# Altium PCB Template_F411.PcbDoc
Units mil, origin at the board's own origin, x right, y up, seen from the top; angles counter-clockwise.
Board outline 6000 x 4000 mil, 2 copper layers (Top Layer, Bottom Layer), stack 61.2 mil thick; 35 components, 51 nets, 215 pads, 4 vias.
Unrouted connection lines stored in the file: 107.
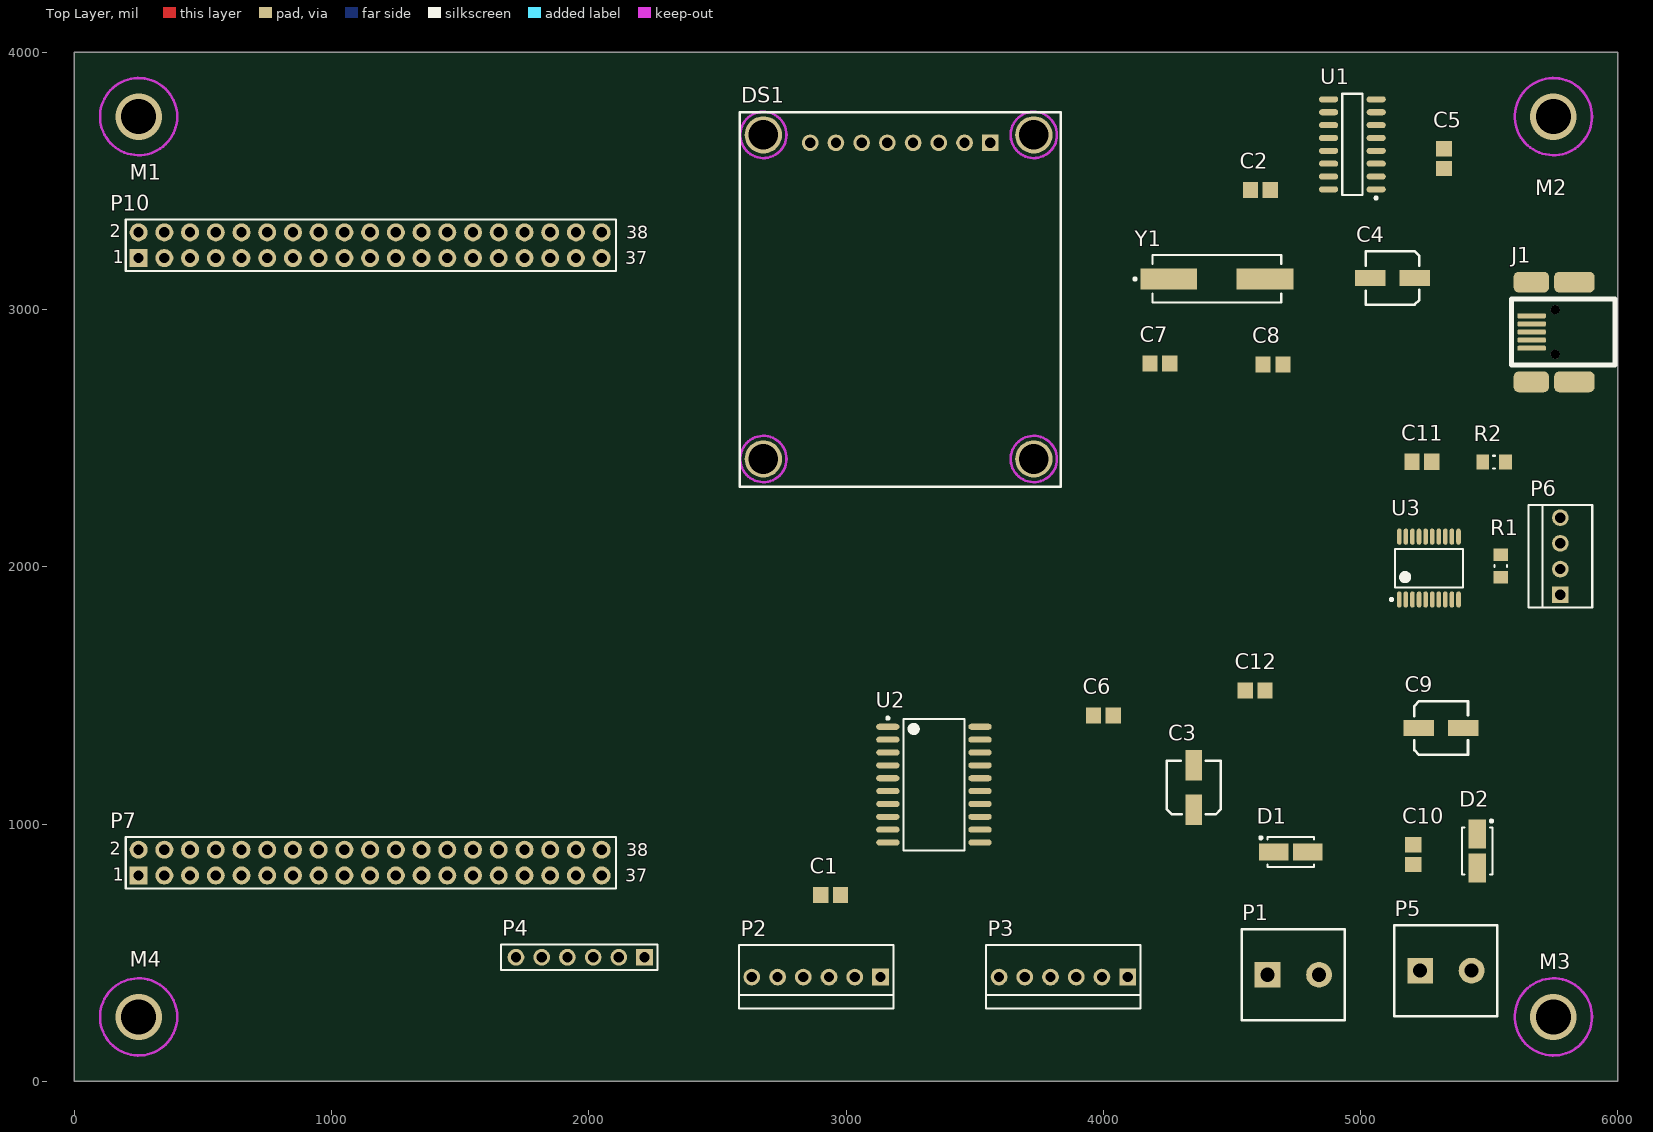
[diagram p0: Top Layer view]
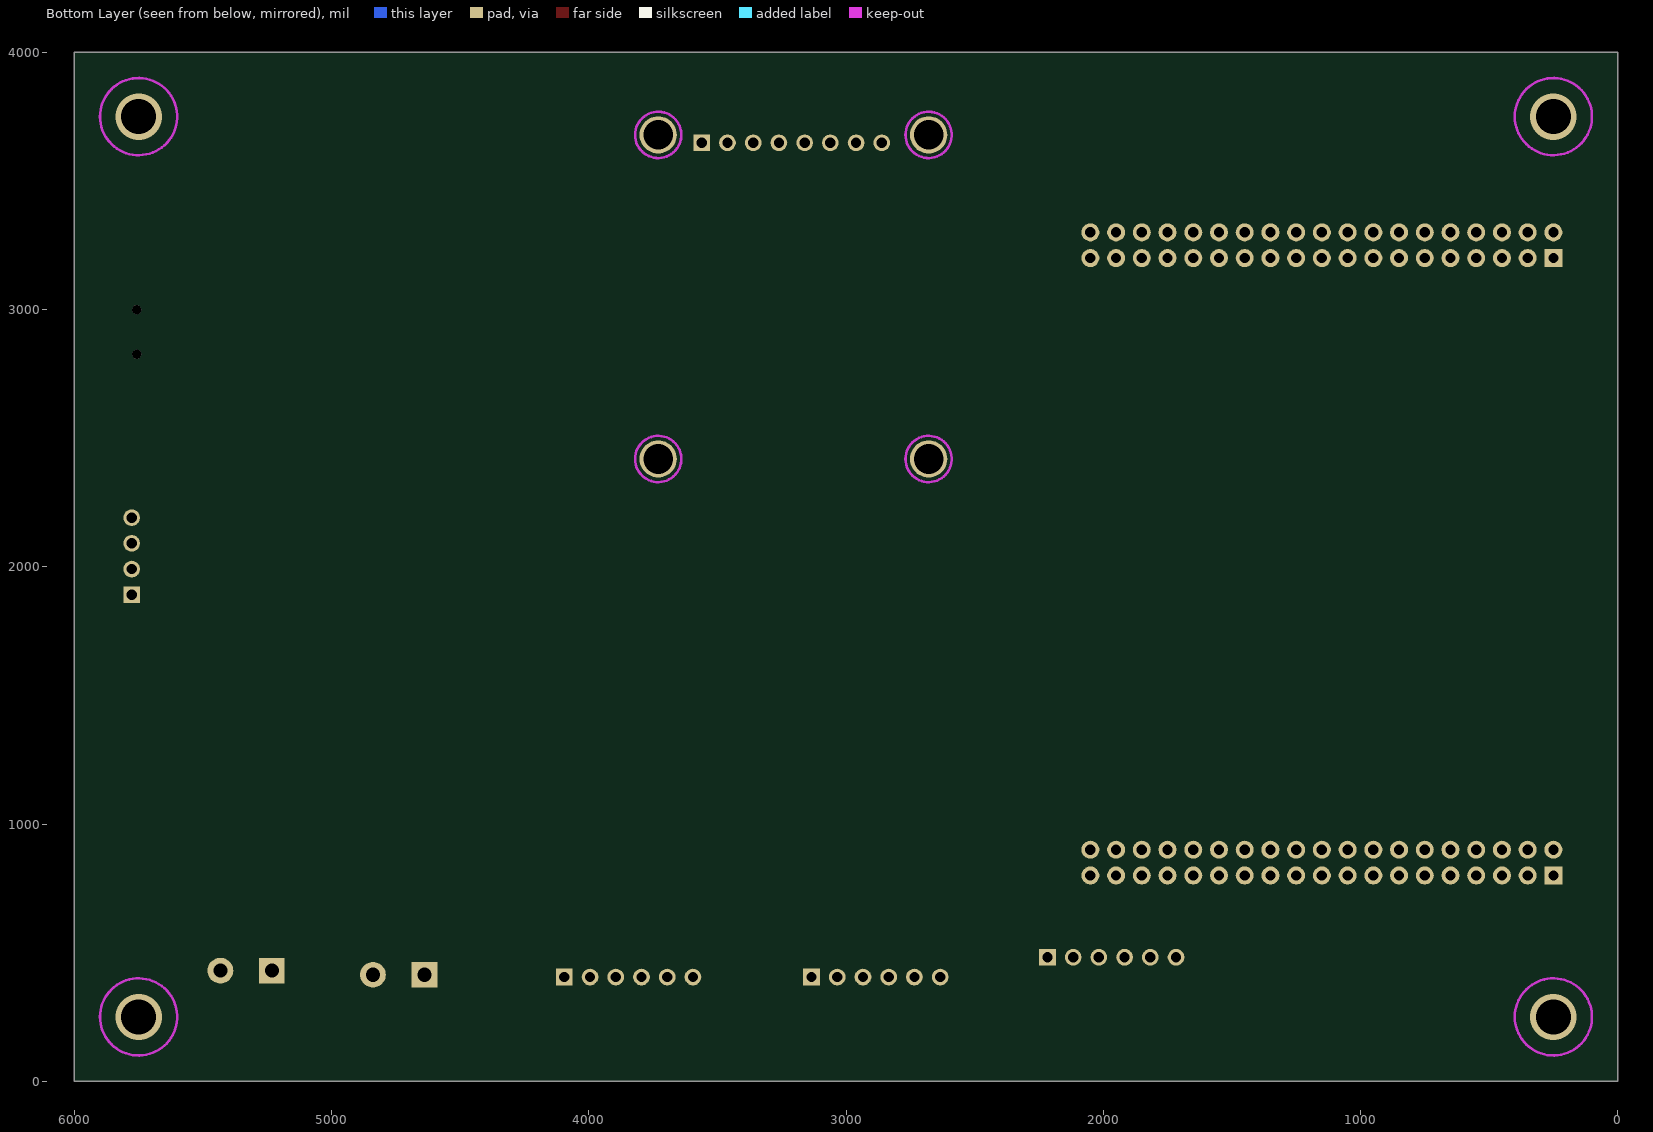
[diagram p1: Bottom Layer view, seen from below]

## Layer stack, top to bottom
Top Solder: solder mask 0.4, Solder Resist, Dk 3.5
Top Layer: signal copper 1.4
Dielectric 1: dielectric 58.4, FR-4, Dk 4.8
Bottom Layer: signal copper 1.4
Bottom Solder: solder mask 0.4, Solder Resist, Dk 3.5

## Board outline
0,0 6000,0 6000,4000 0,4000

## Design rules (kind name [scope] priority, off if disabled: settings)
Clearance [All] p1: gap=6 ignorepadtopadclearanceinfootprint=TRUE
HoleSize [All] p1: absolutevalues=TRUE maxlimit=150 minlimit=20 maxpercent=80.000 minpercent=20.000
MinimumAnnularRing [All] p1: minimumring=10
MinimumSolderMaskSliver [All] p1: minsoldermaskwidth=3
PolygonConnect [All] p1: connectstyle=Relief reliefconductorwidth=10 reliefentries=4 polygonreliefangle="90 Angle" airgapwidth=10
RoutingVias [All] p1: holewidth=20 width=30 viastyle="Through Hole" minholewidth=20 minwidth=30 maxholewidth=40 maxwidth=50
SolderMaskExpansion [All] p1: expansion=5 istentingtop=FALSE
SupplyNets "Schematic Supply Nets_3" [InNet('3.3V')] p1: voltage=0.000
SupplyNets "Schematic Supply Nets_2" [InNet('5V')] p2: voltage=0.000
SupplyNets "Schematic Supply Nets_1" [InNet('GND')] p3: voltage=0.000
SupplyNets "Schematic Supply Nets" [InNet('VBUS')] p4: voltage=0.000
Width "Schematic Width Constraint_17" [InNet('NetP2_1')] p1: maxlimit=30 minlimit=10 preferedwidth=30 minimp=50.000000 maximp=50.000000 favimp=50.000000
Width "Schematic Width Constraint_16" [InNet('NetP3_6')] p2: maxlimit=30 minlimit=10 preferedwidth=30 minimp=50.000000 maximp=50.000000 favimp=50.000000
Width "Schematic Width Constraint_15" [InNet('NetC9_1')] p3: maxlimit=30 minlimit=10 preferedwidth=30 minimp=50.000000 maximp=50.000000 favimp=50.000000
Width "Schematic Width Constraint_14" [InNet('NetD1_2')] p4: maxlimit=30 minlimit=10 preferedwidth=30 minimp=50.000000 maximp=50.000000 favimp=50.000000
Width "Schematic Width Constraint_13" [InNet('AVDD')] p5: maxlimit=30 minlimit=10 preferedwidth=30 minimp=50.000000 maximp=50.000000 favimp=50.000000
Width "Schematic Width Constraint_12" [InNet('NetP3_1')] p6: maxlimit=30 minlimit=10 preferedwidth=30 minimp=50.000000 maximp=50.000000 favimp=50.000000
Width "Schematic Width Constraint_11" [InNet('NetR2_1')] p7: maxlimit=30 minlimit=10 preferedwidth=30 minimp=50.000000 maximp=50.000000 favimp=50.000000
Width "Schematic Width Constraint_10" [InNet('3.3V')] p8: maxlimit=30 minlimit=10 preferedwidth=30 minimp=50.000000 maximp=50.000000 favimp=50.000000
Width "Schematic Width Constraint_9" [InNet('NetP6_3')] p9: maxlimit=30 minlimit=10 preferedwidth=30 minimp=50.000000 maximp=50.000000 favimp=50.000000
Width "Schematic Width Constraint_8" [InNet('NetP2_6')] p10: maxlimit=30 minlimit=10 preferedwidth=30 minimp=50.000000 maximp=50.000000 favimp=50.000000
Width "Schematic Width Constraint_7" [InNet('NetP6_2')] p11: maxlimit=30 minlimit=10 preferedwidth=30 minimp=50.000000 maximp=50.000000 favimp=50.000000
Width "Schematic Width Constraint_6" [InNet('NetC5_1')] p12: maxlimit=30 minlimit=10 preferedwidth=30 minimp=50.000000 maximp=50.000000 favimp=50.000000
Width "Schematic Width Constraint_5" [InNet('NetP6_1')] p13: maxlimit=30 minlimit=10 preferedwidth=30 minimp=50.000000 maximp=50.000000 favimp=50.000000
Width "Schematic Width Constraint_4" [InNet('NetD2_2')] p14: maxlimit=30 minlimit=10 preferedwidth=30 minimp=50.000000 maximp=50.000000 favimp=50.000000
Width "Schematic Width Constraint_3" [InNet('VBUS')] p15: maxlimit=30 minlimit=10 preferedwidth=30 minimp=50.000000 maximp=50.000000 favimp=50.000000
Width "Schematic Width Constraint_2" [InNet('NetP6_4')] p16: maxlimit=30 minlimit=10 preferedwidth=30 minimp=50.000000 maximp=50.000000 favimp=50.000000
Width "Schematic Width Constraint_1" [InNet('NetR1_1')] p17: maxlimit=30 minlimit=10 preferedwidth=30 minimp=50.000000 maximp=50.000000 favimp=50.000000
Width "Schematic Width Constraint" [InNet('VMOTOR')] p18: maxlimit=30 minlimit=10 preferedwidth=30 minimp=50.000000 maximp=50.000000 favimp=50.000000
Width Power [InNetClass('POWER')] p19: maxlimit=100 minlimit=20 preferedwidth=30
Width [All] p20: maxlimit=10 minlimit=10 preferedwidth=10
28 further rules are at their usual default settings.

## Classes and differential pairs
component class Sheet3: C9 C10 C11 C12 D2 P5 P6 R1 R2 U3
component class Sheet2: C1 C2 C3 C4 C5 C6 C7 C8 D1 DS1 J1 P1 P2 P3 P4 U1 U2 Y1
component class Sheet1: P7 P10
component class Mechanical: M1 M2 M3 M4 M5

## Components (designator, comment, footprint, x,y, rotation, side; value= is the part's Value field where it differs from the comment)
C1 "Cap" CAPC2012X09M 2940,724 r0 top value=.1uF
C2 "Cap" CAPC2012X09M 4610.61,3465 r180 top value=.1uF
C3 "Cap Pol" CAPACITOR_5MM 4352,1142 r90 top value=10uF
C4 "Cap Pol" CAPACITOR_5MM 5125,3123 r180 top value=10uF
C5 "Cap" CAPC2012X09M 5325,3587 r270 top value=.1uF
C6 "Cap" CAPC2012X09M 4000.39,1422 r180 top value=.1uF
C7 "Cap" CAPC2012X09M 4220.39,2790 r180 top value=33pF
C8 "Cap" CAPC2012X09M 4660,2786 r0 top value=33pF
C9 "Cap Pol" CAPACITOR_5MM 5313.61,1373 r0 top value=10uF
C10 "Cap" CAPC2012X09M 5205,881 r90 top value=.1uF
C11 "Cap" CAPC2012X09M 5238.61,2408 r0 top value=.1uF
C12 "Cap" CAPC2012X09M 4590.61,1519 r180 top value=220pF
D1 "DIODE SCHOTTKY 40V 2A SMA" DIOM4326X23M 4728.94,891 r0 top
D2 "DIODE SCHOTTKY 40V 2A SMA" DIOM4326X23M 5454,895.06 r270 top
DS1 "OLED" OLED_RGB_0.95_96x64_Waveshare 3560.82,3647.84 r0 top
J1 "67503-1020" MOLX-67503-1020_V 5665.47,2849.62 r180 top
M1 "MOUNTING_HOLE" MOUNTING_HOLE 250,3750 r0 top locked
M2 "MOUNTING_HOLE" MOUNTING_HOLE 5750,3750 r0 top locked
M3 "MOUNTING_HOLE" MOUNTING_HOLE 5750,250 r0 top locked
M4 "MOUNTING_HOLE" MOUNTING_HOLE 250,250 r0 top locked
M5 "Nucleo-64" NUCLEO_64 10590,1985 r0 top
P1 "Terminal 2" TYCO_282841_2 4739,414 r0 top
P2 "Molex_22-11-2062" MOLEX_22-11-2062 3134,405 r180 top
P3 "Molex_22-11-2062" MOLEX_22-11-2062 4095,405 r180 top
P4 "Header 6" HDR1X6 2217,482 r180 top
P5 "Terminal 2" TYCO_282841_2 5332,430 r0 top
P6 "Molex_22-11-2042" MOLEX-22-11-2042 5777,1891 r90 top
P7 "Header 19X2H" PPPC192LFBN-RC 250,800 r0 top
P10 "Header 19X2H" PPPC192LFBN-RC 250,3200 r0 top
R1 "Res3" RESC2112X05M 5545,2003 r90 top value=4.99R
R2 "Res3" RESC2112X05M 5519.29,2407 r180 top value=4.99R
U1 "CH340G" NSO16_L 4968.52,3642 r180 top
U2 "L293DD" SO20_N 3341.87,1153 r0 top
U3 "TB6608FNG,C8,EL" TSOP65P640X160-20M 5266,1995 r90 top
Y1 "AS-12.000-18-SMD-TR" HCS-49/U 4441.99,3119 r0 top

## Footprints (in the part's own frame and the unit in brackets; to place one, negate y for a bottom-side part, rotate by r counter-clockwise, add the part's x,y. Pads: shape width x height; smd on the part's side, far side on the other; paste and mask are expansions set on the pad)
CAPACITOR_5MM [mm]
  rect 3x1.6 smd: 1(-2.2,0) 2(2.2,0)
  silkscreen extent -2.65,-2.65 2.65,2.65, body extent -3.1,-2.65 3.1,2.65, height 6.15
CAPC2012X09M [mm] "Chip Capacitor, 2-Leads, Body 2.00x1.25mm, IPC Low Density"
  rect 1.5x1.6 smd: 1(-0.975,0) 2(0.975,0)
  body extent -1.1,-0.72 1.1,0.72, height 0.88
DIOM4326X23M [mm] "Molded Diode, 2-Leads, Body 4.30x2.60mm, IPC Low Density"
  rect 2.9x1.7 smd: 1(-1.675,0) 2(1.675,0)
  silkscreen extent -3.07,-1.5 2.3,1.52, body extent -2.74,-1.4 2.74,1.4, height 2.36
HCS-49/U [mm] "SMD, 2-Leads, Body 11.4x4.7mm"
  rect 5.6x2.1 smd: 1(-4.75,0) 2(4.75,0)
  silkscreen extent -8.22,-2.35 6.35,2.35, body extent -6.35,-2.35 6.35,2.35, height 4.16
HDR1X6 [mil] "Connector; Header; 6 Position"
  rect 65x65 hole 40: 1(0,0)
  round 65 hole 40: 2(100,0) 3(200,0) 4(300,0) 5(400,0) 6(500,0)
  silkscreen extent -50,-50 559,50, body extent -46,-48 554,50, height 370
MOLEX-22-11-2042 [mil] "CONN HEADER 4POS .100 VERT GOLD"
  rect 65x65 hole 40: 1(0,0)
  round 65 hole 40: 2(100,0) 3(200,0) 4(300,0)
  silkscreen extent -50,-124 350,123, body extent -47,-128 347,122, height 422
MOLEX_22-11-2062 [mil] "CONN HEADER 6POS .100 VERT GOLD"
  rect 65x65 hole 40: 1(0,0)
  round 65 hole 40: 2(100,0) 3(200,0) 4(300,0) 5(400,0) 6(500,0)
  silkscreen extent -50,-125 550,122, body extent -47,-128 547,122, height 422
MOLX-67503-1020_V [mm] "Mini USB Connector, SMT, Righer Angle"
  rrect50% 2.8x0.5 smd: 1(0,0) 2(0,-0.8) 3(0,-1.6) 4(0,-2.4) 5(0,-3.2)
  rrect50% 3.5x2.05 smd: 6(0.025,3.325) 8(0.025,-6.525)
  rrect50% 4x2.05 smd: 7(-4.225,3.325) 9(-4.225,-6.525)
  round 0.9 hole 0.9 unplated: X(-2.325,-3.8) Y(-2.325,0.6)
  silkscreen extent -8.25,-4.85 2,1.65, body extent -8.22,-6.56 0.78,3.34, height 3.95
MOUNTING_HOLE [mil]
  Keep-Out Layer circle w10: c0,0 r150
NSO16_L [mm] "SOIC, 16-Leads, Body 9.9x3.9mm, Pitch 1.27mm, IPC High Density"
  oval 1.9x0.6 smd: 1(-2.35,4.445) 2(-2.35,3.175) 3(-2.35,1.905) 4(-2.35,0.635) 5(-2.35,-0.635) 6(-2.35,-1.905) 7(-2.35,-3.175) 8(-2.35,-4.445) 9(2.35,-4.445) 10(2.35,-3.175) 11(2.35,-1.905) 12(2.35,-0.635) 13(2.35,0.635) 14(2.35,1.905) 15(2.35,3.175) 16(2.35,4.445)
  silkscreen extent -2.48,-5 1,5.42, body extent -3.1,-5 3.1,5, height 1.75
NUCLEO_64 [mil] "Nucleo 64 Placeholder"
  body extent -128,-1998 2628,1269, height 394
OLED_RGB_0.95_96x64_Waveshare [mil]
  rect 65x65 hole 40: 1(0,0)
  round 65 hole 40: 2(-100,0) 3(-200,0) 4(-300,0) 5(-400,0) 6(-500,0) 7(-600,0) 8(-700,0)
  round 145 hole 115: NC(-882,-1228.84) NC(-882,31) NC(169.18,-1228.84) NC(169.18,31)
  Keep-Out Layer circle w10: c-882,31 r90
  Keep-Out Layer circle w10: c169.18,31 r90
  Keep-Out Layer circle w10: c169.18,-1228.84 r90
  Keep-Out Layer circle w10: c-882,-1228.84 r90
  silkscreen extent -974,-1337 274,119, body extent -974,-1337 274,119, height 422
PPPC192LFBN-RC [mil] "38 Position Header Connector 0.100in (2.54mm) Through Hole Gold"
  rect 70x70 hole 40: 1(0,0)
  round 70 hole 40: 2(0,100) 3(100,0) 4(100,100) 5(200,0) 6(200,100) 7(300,0) 8(300,100) 9(400,0) 10(400,100) 11(500,0) 12(500,100) 13(600,0) 14(600,100) 15(700,0) 16(700,100) 17(800,0) 18(800,100) 19(900,0) 20(900,100) 21(1000,0) 22(1000,100) 23(1100,0) 24(1100,100) 25(1200,0) 26(1200,100) 27(1300,0) 28(1300,100) 29(1400,0) 30(1400,100) 31(1500,0) 32(1500,100) 33(1600,0) 34(1600,100) 35(1700,0) 36(1700,100) 37(1800,0) 38(1800,100)
  silkscreen extent -50,-50 1856,150, body extent -60,-51 1860,149, height 335
RESC2112X05M [mm] "Chip Resistor, 2-Leads, Body 2.05x1.25mm, IPC Low Density"
  rect 1.25x1.45 smd: 1(-1.125,0) 2(1.125,0)
  silkscreen extent -0.1,-0.63 0.1,0.63, body extent -1.1,-0.7 1.1,0.7, height 0.5
SO20_N [mm] "SOIC, 20-Leads, Body 12.8x7.5mm, Pitch 1.27mm, IPC Medium Density"
  oval 2.3x0.6 smd: 1(-4.55,5.715) 2(-4.55,4.445) 3(-4.55,3.175) 4(-4.55,1.905) 5(-4.55,0.635) 6(-4.55,-0.635) 7(-4.55,-1.905) 8(-4.55,-3.175) 9(-4.55,-4.445) 10(-4.55,-5.715) 11(4.55,-5.715) 12(4.55,-4.445) 13(4.55,-3.175) 14(4.55,-1.905) 15(4.55,-0.635) 16(4.55,0.635) 17(4.55,1.905) 18(4.55,3.175) 19(4.55,4.445) 20(4.55,5.715)
  silkscreen extent -4.67,-6.5 3,6.69, body extent -5.04,-6.52 5.15,6.82, height 2.67
TSOP65P640X160-20M [mm] "TSOP, 20-Leads, Body 6.85x4.40mm, Pitch 0.65mm, IPC Low Density"
  oval 1.6x0.45 smd: 1(-3.1,2.925) 2(-3.1,2.275) 3(-3.1,1.625) 4(-3.1,0.975) 5(-3.1,0.325) 6(-3.1,-0.325) 7(-3.1,-0.975) 8(-3.1,-1.625) 9(-3.1,-2.275) 10(-3.1,-2.925) 11(3.1,-2.925) 12(3.1,-2.275) 13(3.1,-1.625) 14(3.1,-0.975) 15(3.1,-0.325) 16(3.1,0.325) 17(3.1,0.975) 18(3.1,1.625) 19(3.1,2.275) 20(3.1,2.925)
  silkscreen extent -3.22,-3.35 1.9,3.82, body extent -3.2,-3.35 3.2,3.35, height 1.6
TYCO_282841_2 [mil]
  rect 100x100 hole 55: 1(-100,0)
  round 100 hole 55: 2(100,0)
  silkscreen extent -200,-177 200,177, body extent -209,-174 219,180, height 600

## Part data
C1 C2 C5 C6 C10 C11: library part CAP-X7R-.1uF-50V-±5%, "CAP CER .1uF 50v X7R 0805", MPN=C0805C104J5RACTU, Tolerance=±5%, Name=CAP-X7R-.1uF-50V-±5%, PN=399-1171-1-ND, Type=X7R, URL=http://www.digikey.ca/product-detail/en/C0805C104J5RACTU/399-1171-1-ND, WV=50
C3 C4 C9: library part "Cap Polar-10uF-35V", "CAP 85C 10uF ±20% 35V WX Series Aluminum Electrolytic", Leakage Current=3.5, MPN=UWX1V100MCL1GB, Rated Ripple Current=29, Voltage=35V, Diameter=5, Name="Cap Polar-10uF-35V", PN=493-2117-1-ND, Tan Theta=0.12, URL=http://www.digikey.ca/product-detail/en/UWX1V100MCL1GB/493-2117-1-ND
C7 C8: library part CAP-COG-33pF-50V-±5%, "CAP CER 33pF 50v COG 0805", MPN=C0805C330J5GACTU, Tolerance=±5%, Name=CAP-COG-33pF-50V-±5%, PN=399-1115-1-ND, URL=http://www.digikey.ca/product-detail/en/C0805C330J5GACTU/399-1115-1-ND, WV=50
  C8: Type=COG
C12: library part CAP-X7R-220pF-50V-±10%, "CAP CER 220pF 50v X7R 0805", MPN=C0805C221K5RACTU, Tolerance=±10%, Name=CAP-X7R-220pF-50V-±10%, PN=399-1138-1-ND, Type=X7R, URL=http://www.digikey.ca/product-detail/en/C0805C221K5RACTU/399-1138-1-ND, WV=50
D1 D2: "Schottky Rectifier", MPN=B240A-13-F, PN=B240A-FDICT-ND, URL=http://www.digikey.ca/product-detail/en/B240A-13-F/B240A-FDICT-ND
DS1: library part OLED_RGB_0.95_96x64_Waveshare, "Waveshare 0.95 inch OLED Module", MPN=PPPC081LFBN-RC, PN=S7041-ND, URL=https://www.digikey.ca/en/products/detail/sullins-connector-solutions/PPPC081LFBN-RC/810180
J1: library part MOLX-67503-1020, "USB, MINI, SMD, RA KME04-USBMU03A01", Manufacturer=Molex, ComponentLink1Description="Manufacturer URL", ComponentLink1URL=http://www.molex.com/, ComponentLink2Description=Datasheet, ComponentLink2URL=http://www.molex.com/pdm_docs/sd/675031020_sd.pdf, DatasheetVersion="Rev F, 06/2009", Mounting Technology="Surface Mount", PackageDescription="Mini USB Connector, SMT, Righer Angle", PackageReference=67503-1020, PartNumber=67503-1020, Terminal Pitch="0.8 mm"
M1 M2 M3 M4: "Mounting Hole"
M5: "Nucleo-64 Board Model"
P1 P5: "Terminal, 2-Pin", MPN=282841-2, LatestRevisionDate=17-Jul-2002, LatestRevisionNote="Re-released for DXP Platform.", PN=A98342-ND, Publisher="Altium Limited", URL=http://www.digikey.ca/product-detail/en/282841-2/A98342-ND/1136740
P2 P3: "CONN HEADER 6POS .100 VERT GOLD", MPN=0022112062, PN=WM2704-ND, URL=http://www.digikey.ca/product-detail/en/0022112062/WM2704-ND
P4: "Header, 6-Pin Male", MPN=PEC06SFAN, PN=S1212E-06-ND, URL=http://www.digikey.ca/product-detail/en/PEC06SFAN/S1212E-06-ND
P6: "CONN HEADER 4POS .100 VERT GOLD", MPN=0022112042, PN=WM2702-ND, URL=http://www.digikey.ca/product-detail/en/0022112042/WM2702-ND
P7 P10: "38 Position Header Connector 0.100in (2.54mm) Through Hole Gold", MPN=PPPC192LFBN-RC, PN=S7122-ND, URL=https://www.digikey.ca/product-detail/en/sullins-connector-solutions/PPPC192LFBN-RC/S7122-ND
R1 R2: library part Resistor_4.99R, "RES SMD 4.99R OHM 1% 1/8W 0805", MPN=CRCW08054R99FKEA, Name=Resistor_4.99R, PN=541-4.99CCCT-ND, URL=http://www.digikey.ca/product-detail/en/CRCW08054R99FKEA/541-4.99CCCT-ND
U1: "USB to serial chip", MPN=CH340G, PN=CH340G, URL=https://www.mpja.com/download/35227cpdata.pdf
U2: "IC MOTOR DRIVER PAR 20-SOIC", MPN=L293DD013TR, Code_IPC=SOIC127P1030-20, Code_JEDEC=MS-013-AC, ComponentLink1Description="Manufacturer Link", ComponentLink1URL=http://www.st.com/, ComponentLink2Description=Datasheet, ComponentLink2URL=http://www.st.com/stonline/products/literature/ds/1330/l293d.pdf, DatasheetVersion=Jun-1996, LatestRevisionDate=13-Apr-2006, LatestRevisionNote="IPC-7351 Footprint Added.", PackageDescription="20-Pin Plastic Small Outline Integrated Circuit 1.27 mm Pitch", PackageReference=SO20, PackageVersion=Jul-2001, PN=497-2937-1-ND, Published=8-Jun-2000, Publisher="Altium Limited", URL=http://www.digikey.ca/product-detail/en/L293DD013TR/497-2937-1-ND
U3: "IC MTR DRV BIPLR 2.7-5.5V 20SSOP", MPN=TB6608FNG,C8,EL, PN=TB6608FNGC8ELCT-ND, URL=https://www.digikey.ca/en/products/detail/toshiba-semiconductor-and-storage/TB6608FNG-C8-EL/1730074
Y1: "CRYSTAL 12.0000MHZ 18PF SMD", MPN=AS-12.000-18-SMD-TR, PN=2151-AS-12.000-18-SMD-TRCT-ND, URL=https://www.digikey.ca/en/products/detail/raltron-electronics/AS-12-000-18-SMD-TR/10271753

## Via types
v1: diameter 180, hole 136, Top Layer to Bottom Layer, 4 vias

## Nets (pads, with @x,y where several pads share a name; then routed paths per layer and width w, separated by ;. In a path a pad name is that pad's centre, name@x,y a point inside that pad or via, vN(x,y) a via of type N, cw(c..) or ccw(c..) an arc to the next point about the centre after c; other vN are vias at no path point)
3.3V: C11.1 DS1.1 P2.2 P3.2 P7.12 P7.16 U3.1 U3.2 U3.4 U3.5 U3.17 U3.18
5V: C6.2 P7.18 U2.20
AGND: P4.1 P10.32
ANALOG_IN_1: P4.2 P7.38
ANALOG_IN_2: P4.3 P7.36
ANALOG_IN_3: P4.4 P7.35
ANALOG_OUT: P4.5 P7.32
AVDD: P4.6 P10.7
GND: C1.1 C2.2 C3.2 C4.2 C5.2 C6.1 C7.2 C8.2 C9.2 C10.1 C11.2 C12.2 DS1.2 J1.5 J1.6 J1.7 J1.8 J1.9 P1.1 P2.5 P3.5 P5.1 P7.8 P7.19 P10.9 P10.20 R1.2 R2.2 U1.1 U1.15 U2.4 U2.5 U2.6 U2.7 U2.14 U2.15 U2.16 U2.17 U3.15
MOTOR1_DIR1: P10.16 U2.2
MOTOR1_DIR2: P10.30 U2.9
MOTOR1_ENCODER_A: P2.3 P10.13
MOTOR1_ENCODER_B: P2.4 P10.15
MOTOR1_PWM: P10.23 U2.1
MOTOR2_DIR1: P10.28 U2.12
MOTOR2_DIR2: P10.26 U2.19
MOTOR2_ENCODER_A: P3.3 P10.17
MOTOR2_ENCODER_B: P3.4 P7.21
MOTOR2_PWM: P10.21 U2.11
NetC5_1: C5.1 U1.4
NetC7_1: C7.1 U1.7 Y1.1
NetC8_1: C8.1 U1.8 Y1.2
NetC9_1: C9.1 C10.2 D2.1 U3.6
NetC12_1: C12.1 U3.3
NetD1_2: D1.2 P1.2
NetD2_2: D2.2 P5.2
NetJ1_2: J1.2 U1.6
NetJ1_3: J1.3 U1.5
NetP2_1: P2.1 U2.3
NetP2_6: P2.6 U2.8
NetP3_1: P3.1 U2.13
NetP3_6: P3.6 U2.18
NetP6_1: P6.1 U3.8
NetP6_2: P6.2 U3.10
NetP6_3: P6.3 U3.11
NetP6_4: P6.4 U3.13
NetR1_1: R1.1 U3.9
NetR2_1: R2.1 U3.12
OLED_CS: DS1.6 P10.22
OLED_DC: DS1.7 P10.24
OLED_MOSI: DS1.4 P7.37
OLED_RES: DS1.8 P7.34
OLED_SCK: DS1.5 P10.19
STEPPER_DIR: P10.4 U3.7
STEPPER_ENABLE: P10.1 U3.19
STEPPER_RESET: P10.2 U3.14
STEPPER_STEP: P7.30 U3.20
USB_UART_RX: P10.33 U1.2
USB_UART_TX: P7.17 U1.3
VBUS: C2.1 C4.1 J1.1 U1.16
VMOTOR: C1.2 C3.1 D1.1 U2.10
pads on no net: DS1.3 DS1.NC J1.4 J1.X J1.Y P7.1 P7.2 P7.3 P7.4 P7.5 P7.6 P7.7 P7.9 P7.10 P7.11 P7.13 P7.14 P7.15 P7.20 P7.22 P7.23 P7.24 P7.25 P7.26 P7.27 P7.28 P7.29 P7.31 P7.33 P10.3 P10.5 P10.6 P10.8 P10.10 P10.11 P10.12 P10.14 P10.18 P10.25 P10.27 P10.29 P10.31 P10.34 P10.35 P10.36 P10.37 P10.38 U1.9 U1.10 U1.11 U1.12 U1.13 U1.14 U3.16
copper on no net:
  other v1: 250,250 5750,250 250,3750 5750,3750

## Text inside footprints (layer, text, board x,y; h text height)
P7: Top Overlay "2" at 137,881 h50; Top Overlay "1" at 150,780 h50; Top Overlay "37" at 2141,776 h50; Top Overlay "38" at 2145,875 h50
P10: Top Overlay "2" at 137,3281 h50; Top Overlay "1" at 150,3180 h50; Top Overlay "37" at 2141,3176 h50; Top Overlay "38" at 2145,3275 h50